# Altium PCB Bran_Main_Assay_PCB_v2_20170828.pcbdoc (part 3 of 5)
Units mil, origin at the board's own origin, x right, y up, seen from the top; angles counter-clockwise.
Board outline 3608.46 x 1899.79 mil, 6 copper layers (TOP, GND1, Singal, POWER, GND2, BOTTOM), stack 31.508 mil thick; 367 components, 288 nets, 1408 pads, 967 vias.
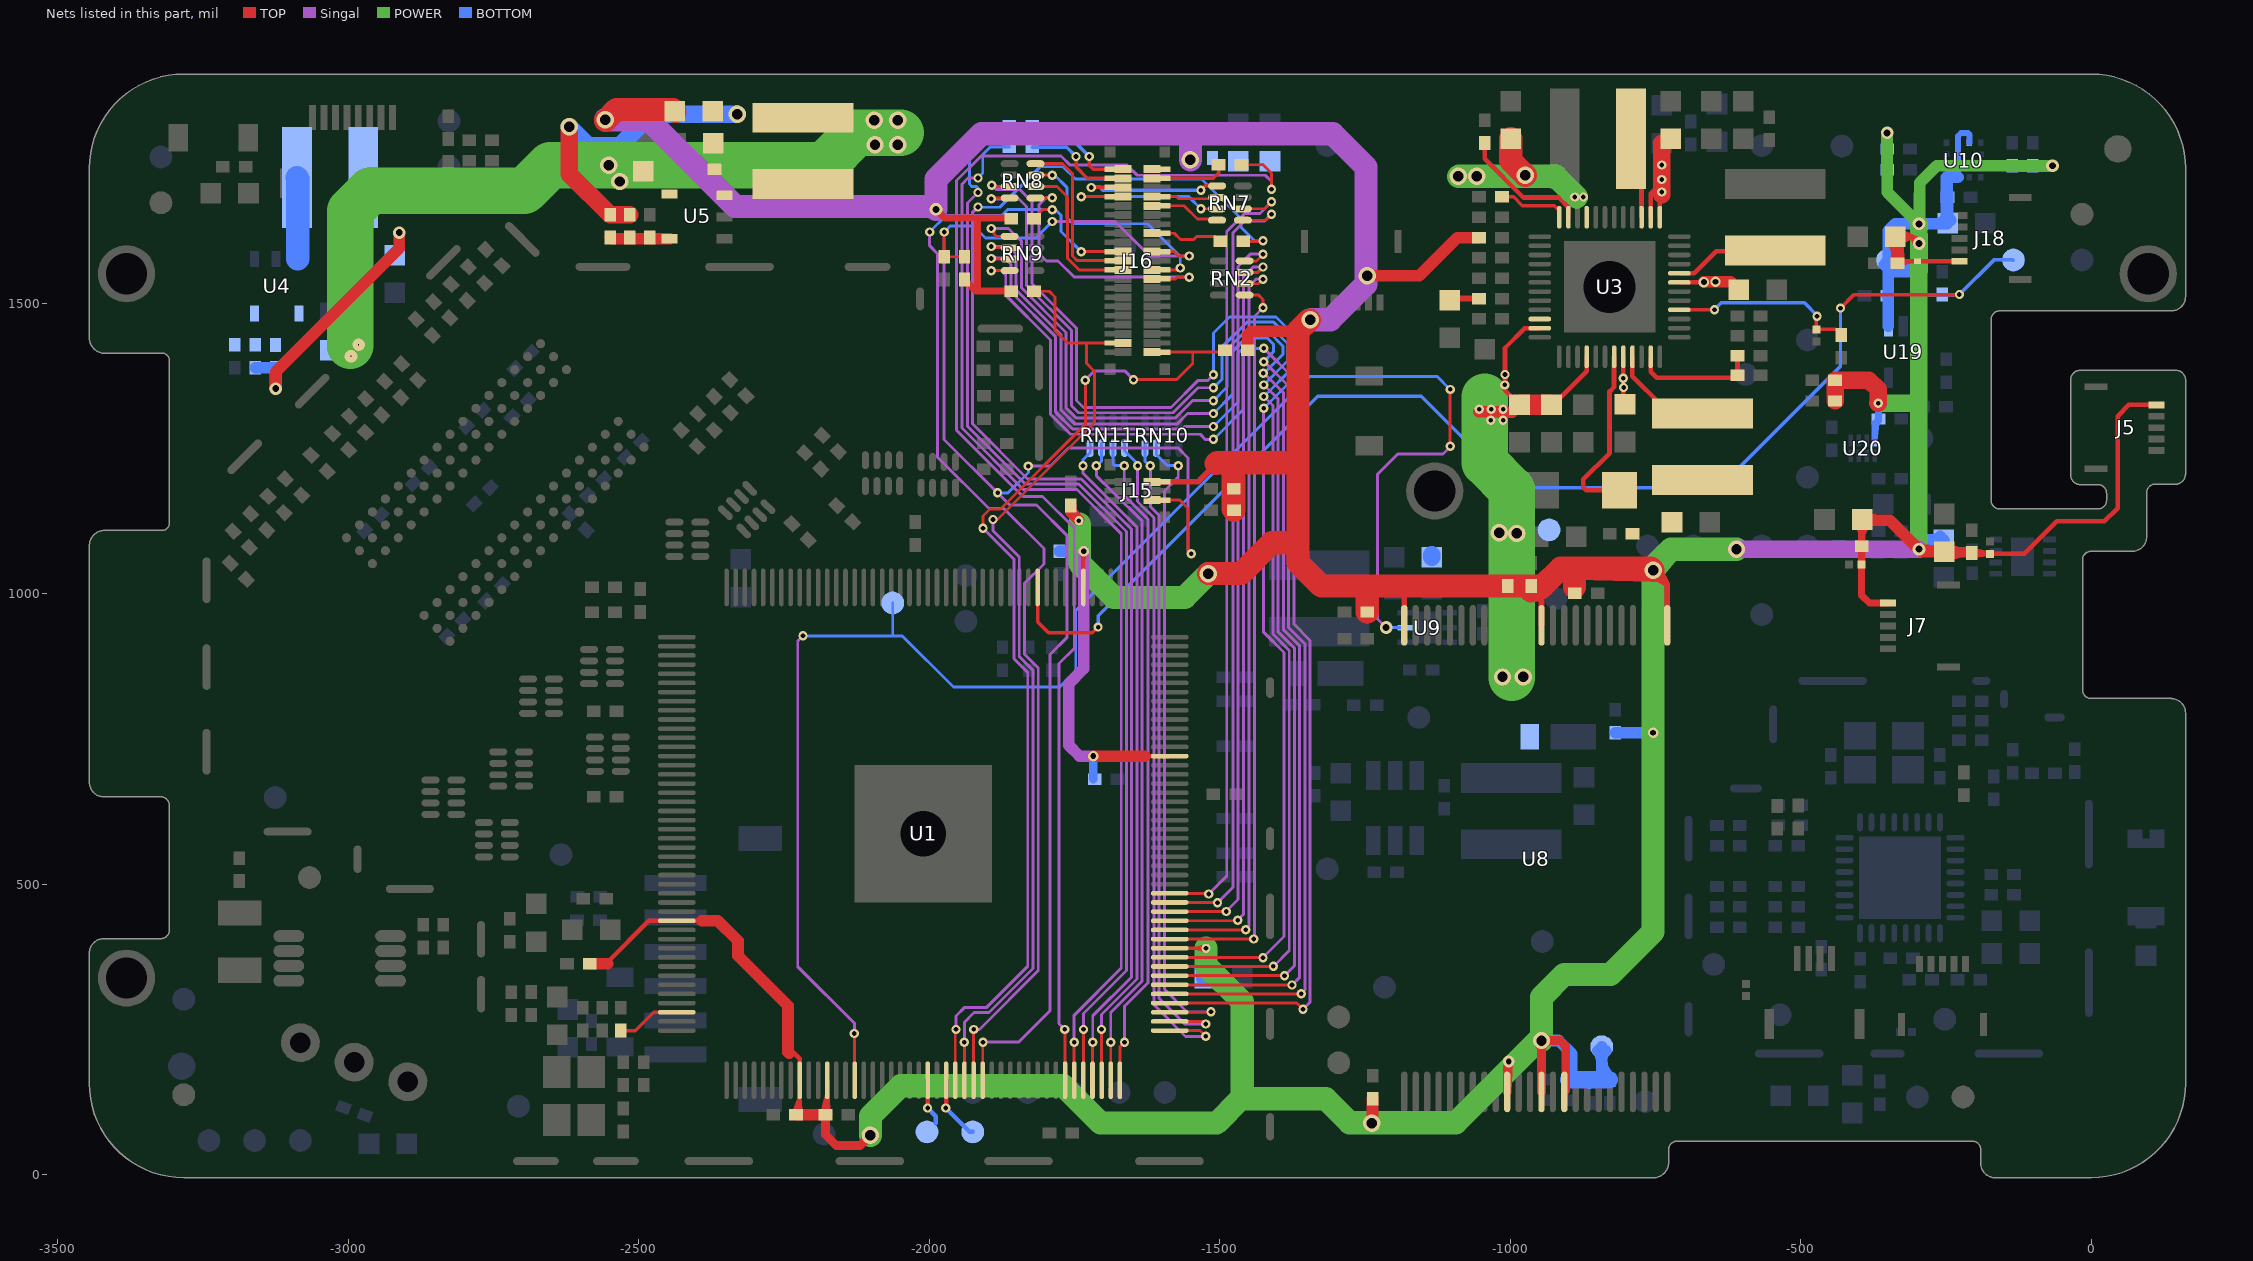
[diagram p7: the nets of this part, all layers, seen from the top]

## Via types
v1: diameter 16, hole 8, TOP to BOTTOM, tented both sides, 424 vias
v2: diameter 18, hole 10, TOP to BOTTOM, tented both sides, 255 vias
v3: diameter 22, hole 12, TOP to BOTTOM, tented both sides, 195 vias
v4: diameter 30, hole 18, TOP to BOTTOM, tented both sides, 69 vias
v5: diameter 24, hole 13, TOP to BOTTOM, tented both sides, 11 vias
v6: diameter 19.68, hole 7.87, TOP to BOTTOM, 9 vias
v7: diameter 22, hole 2, TOP to BOTTOM, tented both sides, 2 vias
v8: diameter 17.99, hole 10, TOP to BOTTOM, tented both sides, 1 vias
v9: diameter 20, hole 10, TOP to BOTTOM, tented both sides, 1 vias

## Nets (pads, with @x,y where several pads share a name; then routed paths per layer and width w, separated by ;. In a path a pad name is that pad's centre, name@x,y a point inside that pad or via, vN(x,y) a via of type N, cw(c..) or ccw(c..) an arc to the next point about the centre after c; other vN are vias at no path point) (continued)
HPVCC: C10.2 C15.1 C16.2 C17.2 C18.2 C19.2 C121.2 C122.2 C123.2 C152.2 C154.2 C155.2 C156.1 C157.1 C204.2 C207.2 C208.2 C209.2 C235.1 C240.2 C241.1 C252.2 C253.2 D13.1 D15.1 D20.1 J5.1 J7.5 J15.1 J16.1 J18.1 L12.1 R3.1 R4.1 R5.1 R6.1 R7.1 R8.1 R23.2 R32.1 R34.1 R39.1 R55.2 R79.1 R80.1 R81.1 R99.2 R129.1 R130.1 R131.1 R177.2 R199.1 R213.1 TP12.1 TP23.1 U1.5 U1.76 U1.97 U1.100 U1.142 U1.163 U8.1 U8.12 U8.24 U8.34 U8.37 U8.39 U10.2 U10.3 U10.9 U10.10 U19.1 U20.8 | length 23757.4
  TOP w6: C17.2@-2233.97,105.1 U1.97@-2223.03,132.41 ; C17.2@-2233.86,105.46 -2227.22,114.64 ; C17.2@-2233.79,105.67 -2224.1,122.19 ; C17.2@-2232.2,108.15 ccw(c-2254.34,130.3) U1.97@-2223.03,130.3 ; C17.2@-2227.96,103.91 ccw(c-2239.86,115.81) -2223.03,115.81 ; C17.2@-2223.03,103.31 U1.97@-2223.03,155.83 ; C17.2@-2223.03,112.23 U1.97@-2223.03,134.17 ; C17.2@-2220.81,105.3 -2227.22,114.64 ; C17.2@-2220.52,103.27 U1.97@-2223.75,130.8 ; C17.2@-2220.52,103.37 -2224.1,122.19 ; U1.142@-1586.22,390.07 -1540.89,390.07 ; U1.142@-1557.67,390.07 -1540.89,390.07 ; v1@-1527.18,386.29 ccw(c-1535.72,377.76) -1535.72,389.83 ccw(c-1535.72,401.9) v1@-1527.18,393.36 ; v1@-1525.26,385.09 -1532.59,390.24 ; v1@-1525.26,394.56 -1532.59,389.42 ; v1@-1524.82,384.97 -1532.59,389.42 ; v1@-1524.82,394.69 -1532.59,390.24 ; v1@-1524.38,384.88 -1540.65,389.83 ; v1@-1524.38,394.77 -1540.65,389.83 ; C17.2@-2227.36,103.31 U1.97@-2223.03,134.17 ; C17.2@-2227.36,103.31 -2227.22,114.64 ; C17.2@-2227.36,103.31 U1.97@-2223.75,130.8 ; C17.2@-2227.36,103.31 U1.97@-2223.03,132.41 ; C17.2@-2227.36,103.31 -2224.1,122.19 ; -2227.22,114.64 U1.97@-2223.03,134.17 ; U1.97@-2223.75,130.8 -2233.98,105.03 U1.97@-2223.03,134.17 ; U1.97@-2223.03,132.41 -2220.52,103.1 U1.97@-2223.03,134.17 ; -1540.89,390.07 -1540.65,389.83 ; -1540.65,389.83 v1(-1523.65,389.83) ; -1540.65,389.83 v1(-1523.65,389.83) ; -1532.59,389.42 v1(-1523.65,389.83) ; -1532.59,390.24 v1(-1523.65,389.83)
  TOP w8: -2554.02,365.93 -2482.64,437.31 ; U1.76@-2463.18,437.31 -2482.64,437.31 ; U1.76@-2406.09,437.31 -2391.45,437.31 U1.76@-2434.64,437.31 -2482.64,437.31 ; -2242.93,219.36 -2223.03,199.46 ; U1.97@-2223.03,155.83 U1.97@-2223.03,162.71 -2223.03,199.46 ; U1.97@-2223.03,191.26 -2223.03,199.46 ; C19.2@-2184.46,104.3 U1.100@-2175.78,137.57 ; C19.2@-2184.44,104.4 U1.100@-2175.78,134.17 ; C19.2@-2182.35,104.91 -2176.37,115.22 ; C19.2@-2180.86,107.44 ccw(c-2193.14,119.72) -2175.78,119.72 ; C19.2@-2176.73,103.31 -2176.37,115.22 ; -2175.78,115.11 ccw(c-2164.93,115.11) C19.2@-2172.6,107.44 ; U1.100@-2175.78,162.71 -2175.78,106.24 U1.100@-2175.78,134.17 ; C19.2@-2171.03,104.57 -2176.37,115.22 ; v2@-1738.9,1072.23 -1734.33,1063.1 ; v2@-1737.55,1069.77 cw(c-1744.1,1063.22) -1734.84,1063.22 ; U1.5@-1734.84,1011.13 v2@-1734.84,1072.48 ; U1.5@-1734.84,1039.68 v2@-1734.84,1067.61 ; -1734.84,1059.25 cw(c-1719.96,1059.25) v2@-1730.48,1069.77 ; v2(-1734.02,1073.31) -1734.33,1063.1 ; v2@-1729.21,1071.93 -1734.33,1063.1 ; U1.163@-1614.76,720.78 -1629.06,720.78 U1.163@-1586.22,720.78 ; C252.2@-350.27,1611.54 C253.2@-334.65,1578.74 ; C252.2@-350.11,1610.97 -336.32,1589.44 ; C252.2@-349.16,1608.65 -333.79,1594.06 ; C252.2@-346.23,1604.85 cw(c-370.04,1578.67) C253.2@-334.65,1578.67 ; C252.2@-342.66,1614.18 C253.2@-334.65,1578.74 ; C252.2@-342.66,1614.21 -336.32,1589.44 ; C252.2@-342.48,1613.38 -333.79,1594.06 ; C253.2@-341.12,1568.68 C252.2@-340.09,1602.84 ; C253.2@-341.12,1568.75 -339.39,1596.36 ; C253.2@-341.11,1569.45 -337.03,1584.3 ; C253.2@-340.92,1570.53 -335.2,1580.43 ; C252.2@-340.85,1610.77 cw(c-353.59,1596.75) -334.65,1596.75 ; C253.2@-340.34,1571.92 ccw(c-361.78,1584.3) -337.87,1590.7 ; C253.2@-339.41,1573.13 ccw(c-350.93,1584.64) -334.65,1584.64 ; C253.2@-339.16,1569 C252.2@-336.24,1603.24 ; C253.2@-339.15,1569.27 C252.2@-334.65,1603.79 ; C253.2@-339.12,1569.65 C252.2@-332.26,1604.4 ; C253.2@-337.04,1570.3 C252.2@-326.12,1604.92 ; C252.2@-336.63,1609.3 -316.38,1613.47 ; C252.2@-336.63,1620.7 -316.38,1616.53 ; C252.2@-336.44,1609.31 -308,1615 ; C252.2@-336.44,1620.69 -308,1615 ; C252.2@-335.79,1609.41 -316.38,1616.53 ; C252.2@-335.79,1620.59 -316.38,1613.47 ; -334.65,1581.57 ccw(c-322.72,1581.57) C253.2@-331.15,1573.13 ; -334.65,1587.57 cw(c-309.57,1587.57) C252.2@-327.3,1605.3 ; C252.2@-333.76,1601.67 -308,1615 ; C252.2@-333.76,1628.33 -308,1615 ; C252.2@-333.42,1601.76 -316.38,1613.47 ; C252.2@-333.42,1628.24 -316.38,1616.53 ; C252.2@-331.51,1602.43 -316.38,1616.53 ; C252.2@-331.51,1627.57 -316.38,1613.47 ; C253.2@-331.35,1569 C252.2@-326.12,1604.92 ; C252.2@-331.3,1614.51 -336.32,1589.44 ; C252.2@-331.28,1614.92 C253.2@-334.65,1578.74 ; C252.2@-331.28,1615.1 -333.79,1594.06 ; C253.2@-329.71,1570.75 -337.03,1584.3 ; C253.2@-329.59,1570.31 C252.2@-340.09,1602.84 ; C253.2@-327.56,1569.99 C252.2@-336.24,1603.24 ; C253.2@-327.48,1569.31 C252.2@-332.26,1604.4 ; C253.2@-327.52,1569.71 C252.2@-334.65,1603.79 ; C253.2@-327.22,1564.87 cw(c-308.74,1546.4) -308.74,1572.52 ; C252.2@-326.4,1606.3 cw(c-308,1591.2) -308,1615 ; C252.2@-326.4,1623.7 ccw(c-308,1638.8) -308,1615 ; C253.2@-325.52,1568.63 C252.2@-326.12,1604.92 ; C252.2@-323.69,1611.67 -336.32,1589.44 ; C252.2@-323.5,1612.58 -333.79,1594.06 ; C252.2@-323.39,1613.29 C253.2@-334.65,1578.74 ; v3@-303,1603 ccw(c-319.9,1603) -307.95,1614.95 ccw(c-296,1626.9) v3@-296,1610 ; v3@-301.86,1599.18 -308,1615 ; D20.1@-300.38,1572.52 C253.2@-328.43,1572.52 ; D20.1@-297.62,1572.52 -269.09,1572.52 ; v3@-297.46,1078 v3(-296.46,1077) ; v3@-292.18,1608.86 -308,1615 ; -264.24,1572.52 J18.1@-234.33,1572.52 ; C155.2@-253.05,1066.78 -231.8,1069.44 ; C155.2@-252.91,1066.78 C154.2@-211.22,1070.31 ; C155.2@-252.58,1066.8 -225.11,1071.7 ; C155.2@-252.31,1078.18 C154.2@-211.22,1070.31 ; C155.2@-252.25,1078.17 -225.11,1071.7 ; C155.2@-251.46,1058.87 C154.2@-211.22,1070.31 ; C155.2@-251.44,1078 -231.8,1069.44 ; C155.2@-250.51,1059.01 -231.8,1069.44 ; C155.2@-250.05,1085.9 C154.2@-211.22,1070.31 ; C155.2@-250.01,1059.11 -225.11,1071.7 ; C155.2@-249.25,1085.69 -225.11,1071.7 ; C155.2@-248.96,1076.54 ccw(c-233.92,1091.58) -233.92,1070.31 ; C155.2@-246.8,1084.73 -231.8,1069.44 ; C155.2@-243.3,1062.8 cw(c-225.16,1044.66) -225.16,1070.31 ; C155.2@-243.3,1082.2 ccw(c-214.61,1110.89) C154.2@-214.61,1070.31 ; -227.76,1073.84 ccw(c-221.8,1096.06) C154.2@-208.77,1077.1 ; J18.1@-226.46,1572.52 D20.1@-299,1572.52 C253.2@-328.43,1572.52 ; C154.2@-209.6,1066.18 ccw(c-219.57,1056.21) -219.57,1070.31 ccw(c-219.57,1084.42) C154.2@-209.6,1074.45 ; C154.2@-207.35,1064.79 -215.92,1070.8 ; C154.2@-207.35,1075.84 -215.92,1069.83 ; C154.2@-206.97,1066.64 -220,1073.12 ; C154.2@-206.84,1064.64 -215.92,1069.83 ; C154.2@-206.84,1075.99 -215.92,1070.8 ; C154.2@-206.72,1066.58 -234.9,1075.75 ; C154.2@-206.55,1066.54 C155.2@-239.12,1075.65 ; C154.2@-206.37,1076.09 C155.2@-239.27,1067.94 ; C154.2@-206.3,1078.07 -220,1073.12 ; C154.2@-206.22,1064.52 C155.2@-239.29,1071.78 ; C154.2@-205.97,1064.49 C155.2@-239.31,1070.31 ; C154.2@-205.97,1076.14 C155.2@-239.31,1070.31 ; C154.2@-205.72,1076.15 C155.2@-239.29,1071.78 ; C154.2@-205.56,1064.47 C155.2@-239.27,1067.94 ; C154.2@-205.46,1068.35 -193.99,1068.45 ; C154.2@-205.39,1078.13 C155.2@-239.12,1075.65 ; C154.2@-205.36,1078.12 -234.9,1075.75 ; C154.2@-204.03,1074.01 -193.99,1068.45 ; C154.2@-203.92,1062.71 -193.99,1068.45 ; C154.2@-201.33,1064.22 cw(c-189.75,1052.63) -189.75,1069.01 ; C154.2@-201.33,1072.48 ccw(c-192.97,1080.84) -192.97,1069.01 ; D13.1@-175.98,1066.97 ccw(c-180.91,1062.04) -180.91,1069.01 ccw(c-180.91,1075.99) D13.1@-175.98,1071.06 ; D13.1@-171.89,1066.97 cw(c-166.96,1062.04) -166.96,1069.01 cw(c-166.96,1075.99) D13.1@-171.89,1071.06 ; 74.92,1325.37 J5.1@104.83,1325.37 ; J5.1@112.7,1325.37 64.91,1325.37 45.54,1306 45.54,1147.62 22.92,1125 -59,1125 -114.99,1069.01 D13.1@-173.93,1069.01 ; U1.100@-2175.78,134.17 C19.2@-2178.7,103.31 U1.100@-2175.78,137.57 ; U1.100@-2175.78,134.17 -2172.86,103.31 U1.100@-2175.78,137.57 ; C252.2@-340.09,1602.84 C253.2@-335.28,1569 ; -339.39,1596.36 C253.2@-335.28,1569 ; -339.39,1596.36 -329.63,1570.47 -335.2,1580.43 ; -337.03,1584.3 C253.2@-335.28,1569 ; C252.2@-337,1615 C253.2@-334.65,1578.74 ; C252.2@-337,1615 -333.79,1594.06 ; C252.2@-337,1615 -336.32,1589.44 ; C252.2@-337,1615 -316.38,1616.53 ; C252.2@-337,1615 -316.38,1613.47 ; C252.2@-337,1615 -308,1615 ; C252.2@-337,1615 C252.2@-334.65,1615 ; C252.2@-336.24,1603.24 C253.2@-333.31,1569 ; C253.2@-335.28,1569 -335.2,1580.43 ; C253.2@-334.65,1578.74 C252.2@-334.65,1615 ; C253.2@-334.65,1578.74 -329.11,1573.2 C253.2@-328.43,1572.52 ; C252.2@-334.65,1603.79 C253.2@-333.31,1569 ; C252.2@-334.65,1615 -308,1615 ; C253.2@-333.31,1569 C252.2@-332.26,1604.4 ; -308,1615 v3(-296,1603) -308,1615 ; C155.2@-253,1072.5 -225.11,1071.7 ; C155.2@-253,1072.5 -231.8,1069.44 ; C155.2@-253,1072.5 C154.2@-211.22,1070.31 ; C155.2@-253,1072.5 -250.81,1070.31 C154.2@-205.46,1070.31 ; C155.2@-239.31,1070.31 C154.2@-205.46,1070.31 ; C155.2@-239.29,1071.78 C154.2@-205.46,1070.31 ; C155.2@-239.27,1067.94 C154.2@-205.46,1070.31 ; C155.2@-239.12,1075.65 C154.2@-205.46,1072.28 ; -234.9,1075.75 C154.2@-205.46,1072.28 ; -220,1073.12 C154.2@-205.46,1072.28 ; -215.92,1069.83 C154.2@-205.46,1070.31 ; -215.92,1070.8 C154.2@-205.46,1070.31 ; C154.2@-205.46,1070.31 D13.1@-173.93,1069.01 ; C154.2@-205.46,1070.31 D13.1@-173.93,1069.01 ; C154.2@-205.46,1070.31 C154.2@-204.16,1069.01 ; C154.2@-204.16,1069.01 D13.1@-173.93,1069.01 ; C154.2@-204.16,1069.01 D13.1@-173.93,1069.01 ; D13.1@-173.93,1069.01 -205.16,1064.48 D13.1@-173.93,1069.01 ; D13.1@-173.93,1069.01 -204.68,1076.11 D13.1@-173.93,1069.01 ; J16.1@-1616.73,1731.1 -1597.64,1731.1 -1609.25,1731.1 J16.1@-1593.5,1731.1 J16.1@-1616.73,1731.1
  TOP w10: J15.1@-1616.73,1192.91 J15.1@-1593.5,1192.91 -1537.34,1192.91 -1505.95,1224.31 ; J15.1@-1589.37,1192.91 -1554.65,1192.91 ; U8.24@-1182.4,945.83 -1182.4,1000 U8.24@-1182.4,975.41 ; C204.2@-964.02,1006.81 cw(c-964.02,990.37) -952.39,1001.99 ; C204.2@-964.02,1011.65 -946.18,995.79 ; C204.2@-961.36,1010.96 -946.18,995.79 ; U8.12@-946.18,945.83 -946.18,995.79 ; U8.12@-946.18,975.41 -946.18,995.79 ; v4@-759.99,1032.8 -729.65,1016.46 ; v4@-754.02,1030.83 cw(c-754.02,1006.68) -736.94,1023.76 cw(c-719.87,1040.83) v4@-744.02,1040.83 ; v4(-754.02,1040.83) -729.65,1016.46 ; v4@-745.99,1046.8 -729.65,1016.46 ; U8.1@-729.65,945.83 -729.65,1016.46 ; U8.1@-729.65,975.41 -729.65,1010.83
  TOP w12: v3@-1988.46,1657 cw(c-1988.46,1644.93) -1979.93,1653.46 cw(c-1971.39,1662) v3@-1983.46,1662 ; v3(-1988.46,1662) -1973.46,1647 -1917.3,1647 ; R55.2@-1939.45,1535.24 cw(c-1939.45,1521.22) -1929.53,1531.14 ; R55.2@-1939.45,1541.06 -1919.39,1521 R79.1@-1859.15,1521 ; -1917.3,1523.09 -1917.3,1647 ; -1906.96,1521 R79.1@-1861.12,1521 ; -1872.81,1647 cw(c-1872.81,1634.31) R81.1@-1863.84,1643.28 ; R81.1@-1859.15,1646 -1860.15,1647 -1917.3,1647 ; C157.1@-405.42,1125.54 -395.78,1108.51 ; C157.1@-405.26,1124.88 -393.85,1105.56 ; C157.1@-402.25,1119.72 cw(c-419.93,1102.03) -394.93,1102.03 ; -394.93,1008.09 D15.1@-395.57,1051 ; -394.93,1036.16 C156.1@-394.78,1082 ; -394.93,1097.39 cw(c-363.36,1097.39) C157.1@-385.68,1119.72 ; C157.1@-383.16,1123.47 -395.78,1108.51 ; C157.1@-382.64,1125 -393.85,1105.56 ; J7.5@-357.47,984.26 -381.72,984.26 ; J7.5@-349.59,984.26 -381.72,984.26 ; -395.78,1108.51 C157.1@-393.96,1128 -393.85,1105.56 ; D15.1@-395.57,1051 C156.1@-394.78,1082 ; D15.1@-395.57,1051 -394.93,1093.91 C156.1@-394.78,1082 ; C156.1@-394.78,1082 -394.93,1127.04 -394.93,1082 -394.93,1051 -394.93,997.46 -381.72,984.26
  TOP w15: v4@-2108.8,67.99 cw(c-2126.91,67.99) -2114.1,55.19 cw(c-2101.3,42.39) v4@-2101.3,60.49 ; -1005.24,182.27 cw(c-989.74,182.27) v9@-1000.7,193.23 ; v4@-951.48,225.84 cw(c-964.29,213.04) -946.18,213.04 cw(c-928.07,213.04) -940.88,225.84 cw(c-928.07,213.04) -928.07,231.14 cw(c-928.07,249.25) v4@-940.88,236.45 ; U8.37@-946.18,142.68 v4(-946.18,231.14) ; U8.37@-946.18,171.14 v4(-946.18,231.14) ; v4@-946.18,222.68 -946.18,172.26 v4(-946.18,231.14) ; U8.39@-904.52,144.97 -904.52,221.21 -914.45,231.14 v4(-946.18,231.14) ; -2178.7,69.13 C19.2@-2178.7,103.31 -2178.7,69.13 ; -2178.7,69.13 -2159.99,50.42 -2118.87,50.42 ; -2118.87,50.42 v4(-2101.3,67.99) -2118.87,50.42 ; v9@-1005.24,192.23 -1005.24,172.26 v9(-1002.46,195) ; v9@-1005.24,192.23 v9(-1002.46,195) ; v9@-1005.24,192.23 U8.34@-1005.24,142.68 v9(-1002.46,195)
  TOP w20: C10.2@-2584.33,363.31 -2554.02,363.31 C10.2@-2582.36,363.31 ; -2391.45,437.31 -2363.93,437.31 -2329.3,402.68 -2329.3,376.81 -2243.3,290.81 -2243.3,222.99 ; -2242.93,219.36 -2242.93,222.62 -2243.3,222.99 ; -2241.25,209.19 -2243.3,211.24 -2243.3,222.99 ; C17.2@-2229.33,103.31 C17.2@-2223.03,103.31 ; R177.2@-1756.62,1150.35 ccw(c-1735.06,1150.35) -1750.31,1135.1 ; R177.2@-1756.46,1152.31 -1756.46,1141.26 v1@-1742.45,1127.24 ; v2(-1717.65,720.83) -1629.06,720.83 ; R80.1@-1451.76,1419.74 -1451.76,1445.7 -1445.45,1452.02 -1365.45,1452.02 ; v4(-1246.46,1548) -1171.46,1547.74 ; v4@-1242.2,1547.74 -1156.45,1547.74 -1090.88,1613.31 ; v4(-1238.02,88.83) v4@-1237.02,89.83 ; R99.2@-1237.02,129.18 v4@-1237.02,89.83 ; R99.2@-1237.02,131.15 v4@-1237.02,89.83 ; R23.2@-1055.67,1613.31 -1090.88,1613.31 ; R23.2@-1053.7,1613.31 -1090.88,1613.31 ; C204.2@-968.54,1003.78 C204.2@-961.36,1010.96 ; C157.1@-393.96,1128 -346.46,1127 ; C157.1@-392,1127 -346.46,1127 ; C157.1@-388.51,1133.46 ccw(c-372.92,1149.04) -372.92,1127 ; v3@-297.46,1078 -346.46,1127 ; v3@-295.76,1077.71 ccw(c-283.19,1090.28) -283.19,1072.5 ; C155.2@-258.46,1067.04 ccw(c-271.63,1053.87) -271.63,1072.5 ccw(c-271.63,1091.13) C155.2@-258.46,1077.96 ; C17.2@-2223.03,103.31 -2180.67,103.31 -2227.36,103.31 C19.2@-2178.7,103.31 C17.2@-2223.03,103.31 ; -346.46,1127 v3(-296.46,1077) ; v3(-296.46,1077) C155.2@-253,1072.5 ; v3(-296.46,1077) C155.2@-253,1072.5 ; v3(-296.46,1077) v3@-291.96,1072.5 ; v3@-291.96,1072.5 C155.2@-253,1072.5 ; v3@-291.96,1072.5 C155.2@-253,1072.5
  TOP w30: R8.1@-438.81,1368 -382.46,1368 ; v1(-366.46,1328) -366.46,1352 -382.46,1368 ; R8.1@-440.78,1368 R7.1@-440.78,1332 R8.1@-440.78,1368 ; R8.1@-440.78,1368 -382.46,1368
  TOP w40: v4@-2557.46,1815 -2557.09,1815.38 -2538.51,1833.96 -2441.17,1833.96 L12.1@-2437.95,1830.74 ; v4(-1519.46,1035) -1463.46,1035 -1410.46,1088 -1365.45,1088 ; -1505.95,1224.31 -1504.52,1225.74 -1476.46,1225.74 ; v4@-1345.98,1471.49 -1365.45,1452.02 -1365.45,1225.74 ; R39.1@-1245.96,968.83 -1245.96,1013.62 ; -1133.86,1013.62 C207.2@-1004.02,1013.62 ; C204.2@-964.32,1005.44 ccw(c-963.49,1033.41) -943.7,1013.62 ; C204.2@-964.02,1005.43 ccw(c-964.02,1034.71) -943.32,1014.01 ; -950.22,1008.77 -964.02,1011.65 -949.38,1009.36 ; -889.44,1044.31 v4(-754.02,1040.83) -757.5,1044.31 -913.02,1044.31 -943.7,1013.62 ; -889.13,1011.73 -889.13,1027.57 ; -1476.76,1225.44 -1476.76,1180.74 -1476.76,1146.74 R6.1@-1475.76,1180.74 ; -1476.76,1225.44 R5.1@-1475.61,1143.99 R6.1@-1475.76,1180.74 ; -1476.76,1225.44 R6.1@-1475.76,1180.74 ; -1476.76,1225.44 -1476.46,1225.74 ; -1476.46,1225.74 -1365.45,1225.74 ; -1365.45,1088 -1365.45,1225.74 ; -1365.45,1088 -1365.45,1054 -1325.07,1013.62 -1245.96,1013.62 ; -1245.96,1013.62 C207.2@-1004.02,1013.62 ; C207.2@-1004.02,1013.62 C204.2@-964.02,1013.62 ; C207.2@-1004.02,1013.62 C204.2@-964.02,1013.62 ; C204.2@-964.02,1013.62 -943.7,1013.62 ; C204.2@-964.02,1013.62 -943.7,1013.62
  Singal w20: -1734.02,1004.31 v2(-1734.02,1073.31) -1734.02,871.45 -1760.02,845.45 -1760.02,739.39 -1741.45,720.83 ; -1741.45,720.83 v2(-1717.65,720.83) -1741.45,720.83
  Singal w30: v4(-610.46,1077) v3(-296.46,1077) -397.46,1077
  Singal w40: v4@-2557.46,1816 -2483.46,1816 -2334.46,1667 v3@-1993.46,1667 ; v3(-1988.46,1662) -1988.46,1713.72 -1910.19,1792 -1550.3,1792 ; v4@-1550.3,1747.17 -1550.3,1792 ; v4@-1342.45,1472 -1309.46,1472 -1248.46,1533 -1248.46,1548 -1248.46,1735 -1305.46,1792 -1550.3,1792
  POWER w20: -351.13,1722.67 v3(-351.13,1793.67) -351.13,1691.67 v3(-296.46,1637) ; -349.89,1690.43 v3(-296.46,1637) ; -137.46,1737 v3(-66.46,1737) -266,1737 -295,1708 ; v3(-296.46,1637) -295,1708 ; v3(-296.46,1637) -295,1638.46 -295,1708
  POWER w30: v1(-366.46,1328) -298.46,1328 -296.46,1326 ; v3(-296.46,1077) -296.46,1326 ; -296.46,1501.99 v3(-296,1603) v3(-296.46,1637) ; -296.46,1536 v3(-296.46,1637) ; v3@-296.46,1638 v3(-296.46,1637) ; -296.46,1326 -296.46,1603 v3(-296.46,1637)
  POWER w40: v1@-1741.45,1119.74 -1741.45,1073.31 -1741.45,1052.98 -1682.46,993.99 -1560.47,993.99 ; -754.02,631.83 v2(-754.02,760.83) ; -754.02,905.83 v4(-754.02,1040.83) ; -2101.3,100.99 v4(-2101.3,67.99) -2101.3,100.99 ; -2101.3,100.99 -2048.98,153.31 -1769.51,153.31 -1705.21,89 -1505.51,89 -1463.52,131 ; -1560.47,993.99 v4(-1519.46,1035) -1560.47,993.99 ; -1523.65,360.18 v1(-1523.65,389.83) -1523.65,360.18 ; -1523.65,360.18 -1461.46,298 -1461.46,133.05 -1463.52,131 ; -1463.52,131 -1317.72,131 -1276.46,89.74 -1238.02,89.74 -1093.72,89.74 -995.46,188 -949.25,234.21 v4@-946.18,237.28 ; v4@-946.18,237.28 -946.18,305.99 ; v4@-946.18,237.28 v4(-946.18,231.14) -946.18,305.99 ; -946.18,305.99 -907.18,344.99 -827.3,344.99 -754.02,418.28 v2(-754.02,760.83) ; v2(-754.02,760.83) v4(-754.02,1040.83) ; v4(-754.02,1040.83) -723.46,1077 ; v4(-754.02,1040.83) -754.02,1046.45 -723.46,1077 ; -723.46,1077 v4(-610.46,1077) -723.46,1077
  BOTTOM w10: -372.8,1278.02 cw(c-345.14,1278.02) C241.1@-364.69,1297.58 ; -371.85,1285.18 C241.1@-368.12,1301 ; C241.1@-366.15,1301 C241.1@-372.8,1294.35 ; U10.9@-229.29,1717.3 U10.2@-229.29,1776.35 -229.29,1787.98 ; U10.9@-229.29,1717.79 -229.29,1752.71 ; -229.29,1740.94 U10.2@-229.29,1775.86 ; U10.2@-229.29,1776.85 -229.29,1787.98 ; U10.3@-209.61,1776.35 -209.61,1790.98 ; U10.3@-209.61,1776.85 -209.61,1790.98 ; C241.1@-372.8,1294.35 -372.8,1270.68 C241.1@-368.12,1301 ; C241.1@-372.8,1294.35 U20.8@-372.8,1264.19 C241.1@-368.12,1301 ; -229.29,1787.98 -223.95,1793.33 -211.95,1793.33 -209.61,1790.98
  BOTTOM w12: v1(-366.46,1328) C241.1@-366.15,1301 -366.15,1327.68 v1(-366.46,1328)
  BOTTOM w15: C18.2@-1717.69,680.83 C18.2@-1717.65,680.87 ; C18.2@-1717.65,680.87 v2(-1717.65,720.83) C18.2@-1717.65,680.87
  BOTTOM w20: v4(-946.18,231.14) -916.85,231.14 -894.02,208.31 ; R32.1@-899.33,163.31 -894.02,168.62 -894.02,208.31 ; R32.1@-897.36,163.31 -894.02,208.31 ; TP23.1@-849.37,213.62 cw(c-865.9,197.09) -842.52,197.09 cw(c-819.14,197.09) TP23.1@-835.67,213.62 ; -842.52,197.18 ccw(c-796.79,197.18) C209.2@-829.13,164.85 ; -840.96,185.35 C209.2@-829.02,164.96 ; TP12.1@-350.78,1574.42 TP12.1@-350.39,1574.8 ; TP12.1@-350.39,1565.12 cw(c-350.39,1541.74) -333.86,1558.27 cw(c-317.33,1574.8) TP12.1@-340.71,1574.8 ; U19.1@-349.06,1460.91 C235.1@-349.06,1511.28 ; U19.1@-349.06,1470.75 C235.1@-349.06,1511.28 ; R199.1@-292.46,1556.65 TP12.1@-350.39,1574.8 ; -267.57,1637 ccw(c-267.57,1658.45) C152.2@-252.41,1643.28 ; R213.1@-259.46,1088.04 ccw(c-272.63,1074.87) -272.63,1093.5 ccw(c-272.63,1112.13) R213.1@-259.46,1098.96 ; -248.98,1661.35 ccw(c-223.42,1661.35) C152.2@-241.49,1643.28 ; U10.10@-248.98,1715.62 C152.2@-246.95,1637.83 ; U10.10@-248.98,1715.87 C152.2@-246.95,1637.83 ; v3(-66.46,1737) R4.1@-100.45,1737.14 ; v3@-66.46,1737.14 R4.1@-100.45,1737.14 ; -842.52,165.25 C209.2@-829.02,164.96 ; -842.52,165.25 C209.2@-829.02,164.96 ; -842.52,165.25 TP23.1@-842.52,220.47 -842.52,165.25 ; R130.1@-351.13,1765.83 v3(-351.13,1793.67) R130.1@-351.13,1765.83 ; R130.1@-351.13,1765.83 R129.1@-351.13,1730 R130.1@-351.13,1765.83 ; TP12.1@-350.39,1574.8 -330.28,1554.68 ; TP12.1@-350.39,1574.8 -349.06,1554 ; TP12.1@-350.39,1574.8 -348.37,1554.68 ; TP12.1@-350.39,1574.8 -330.28,1554.68 ; TP12.1@-350.39,1574.8 -349.06,1554 ; TP12.1@-350.39,1574.8 -349.06,1554 ; TP12.1@-350.39,1574.8 -348.37,1554.68 ; TP12.1@-350.39,1574.8 -330.28,1554.68 ; TP12.1@-350.39,1574.8 R199.1@-292.46,1554.68 ; TP12.1@-350.39,1574.8 TP12.1@-349.06,1573.46 ; TP12.1@-350.39,1574.8 TP12.1@-349.06,1574.8 ; C235.1@-349.06,1511.28 -349.06,1513 C235.1@-349.06,1514.72 ; C235.1@-349.06,1511.28 C235.1@-350.78,1513 C235.1@-349.06,1514.72 ; C235.1@-349.06,1514.72 -349.06,1554 ; -349.06,1554 TP12.1@-349.06,1573.46 ; -349.06,1554 -348.37,1554.68 ; TP12.1@-349.06,1573.46 TP12.1@-349.06,1574.8 ; TP12.1@-349.06,1573.46 -330.28,1554.68 ; TP12.1@-349.06,1574.8 -349.06,1625.41 -337.46,1637 ; -348.37,1554.68 -330.28,1554.68 ; -337.46,1637 v3(-296.46,1637) ; -337.46,1637 v3(-296.46,1637) ; -330.28,1554.68 R199.1@-292.46,1554.68 ; -330.28,1554.68 R199.1@-292.46,1554.68 ; v3(-296.46,1637) C152.2@-246.95,1637.83 ; v3(-296.46,1637) -247.78,1637 C152.2@-246.95,1637.83 ; -279.96,1093.5 R213.1@-254,1093.5 ; -279.96,1093.5 R213.1@-254,1093.5 ; -279.96,1093.5 v3(-296.46,1077) R213.1@-254,1093.5 ; -279.96,1093.5 R213.1@-254,1093.5 ; C152.2@-248.98,1639.85 -248.98,1682.83 U10.10@-248.98,1717.3 ; C152.2@-248.98,1639.85 C240.2@-247.13,1682.83 ; C152.2@-248.98,1639.85 C152.2@-246.95,1637.83 ; U10.10@-248.98,1717.3 C240.2@-247.13,1682.83 ; U10.10@-248.98,1717.3 U10.9@-229.29,1717.3 U10.10@-248.98,1717.3 ; C240.2@-247.13,1682.83 C152.2@-246.95,1637.83 ; C240.2@-247.13,1682.83 C152.2@-246.95,1637.83 ; C240.2@-247.13,1682.83 -248.98,1651.89 -248.98,1716.81 C240.2@-247.13,1682.83 ; R4.1@-100.45,1737.14 R3.1@-135.45,1737.14 R4.1@-100.45,1737.14 ; C16.2@-1776.45,1073.43 v2(-1734.02,1073.31) -1734.13,1073.43 C16.2@-1776.45,1073.43 ; R131.1@-819.02,761.15 v2(-754.02,760.83) -754.33,761.15 R131.1@-819.02,761.15 ; TP12.1@-355.85,1566.8 cw(c-364.59,1553.96) -349.06,1553.96 ccw(c-364.59,1553.96) TP12.1@-355.85,1566.8 ; -349.06,1554.65 cw(c-330.24,1554.65) -343.55,1567.95 ccw(c-330.24,1554.65) -349.06,1554.65